# KiCad board AT386SX.kicad_pcb
title: Alsea River 386SX Motherboard; date: 2026-02-17; rev: 2.2; company: Copyright (C) 2024-2026 Sergey Kiselev; note: https://github.com/Marco-Both/M396F-Replika; note: Based on the M396F motherboard replica by Marco Both:; note: https://github.com/skiselev/mb386sx-rc2016; note: Documentation and design files:
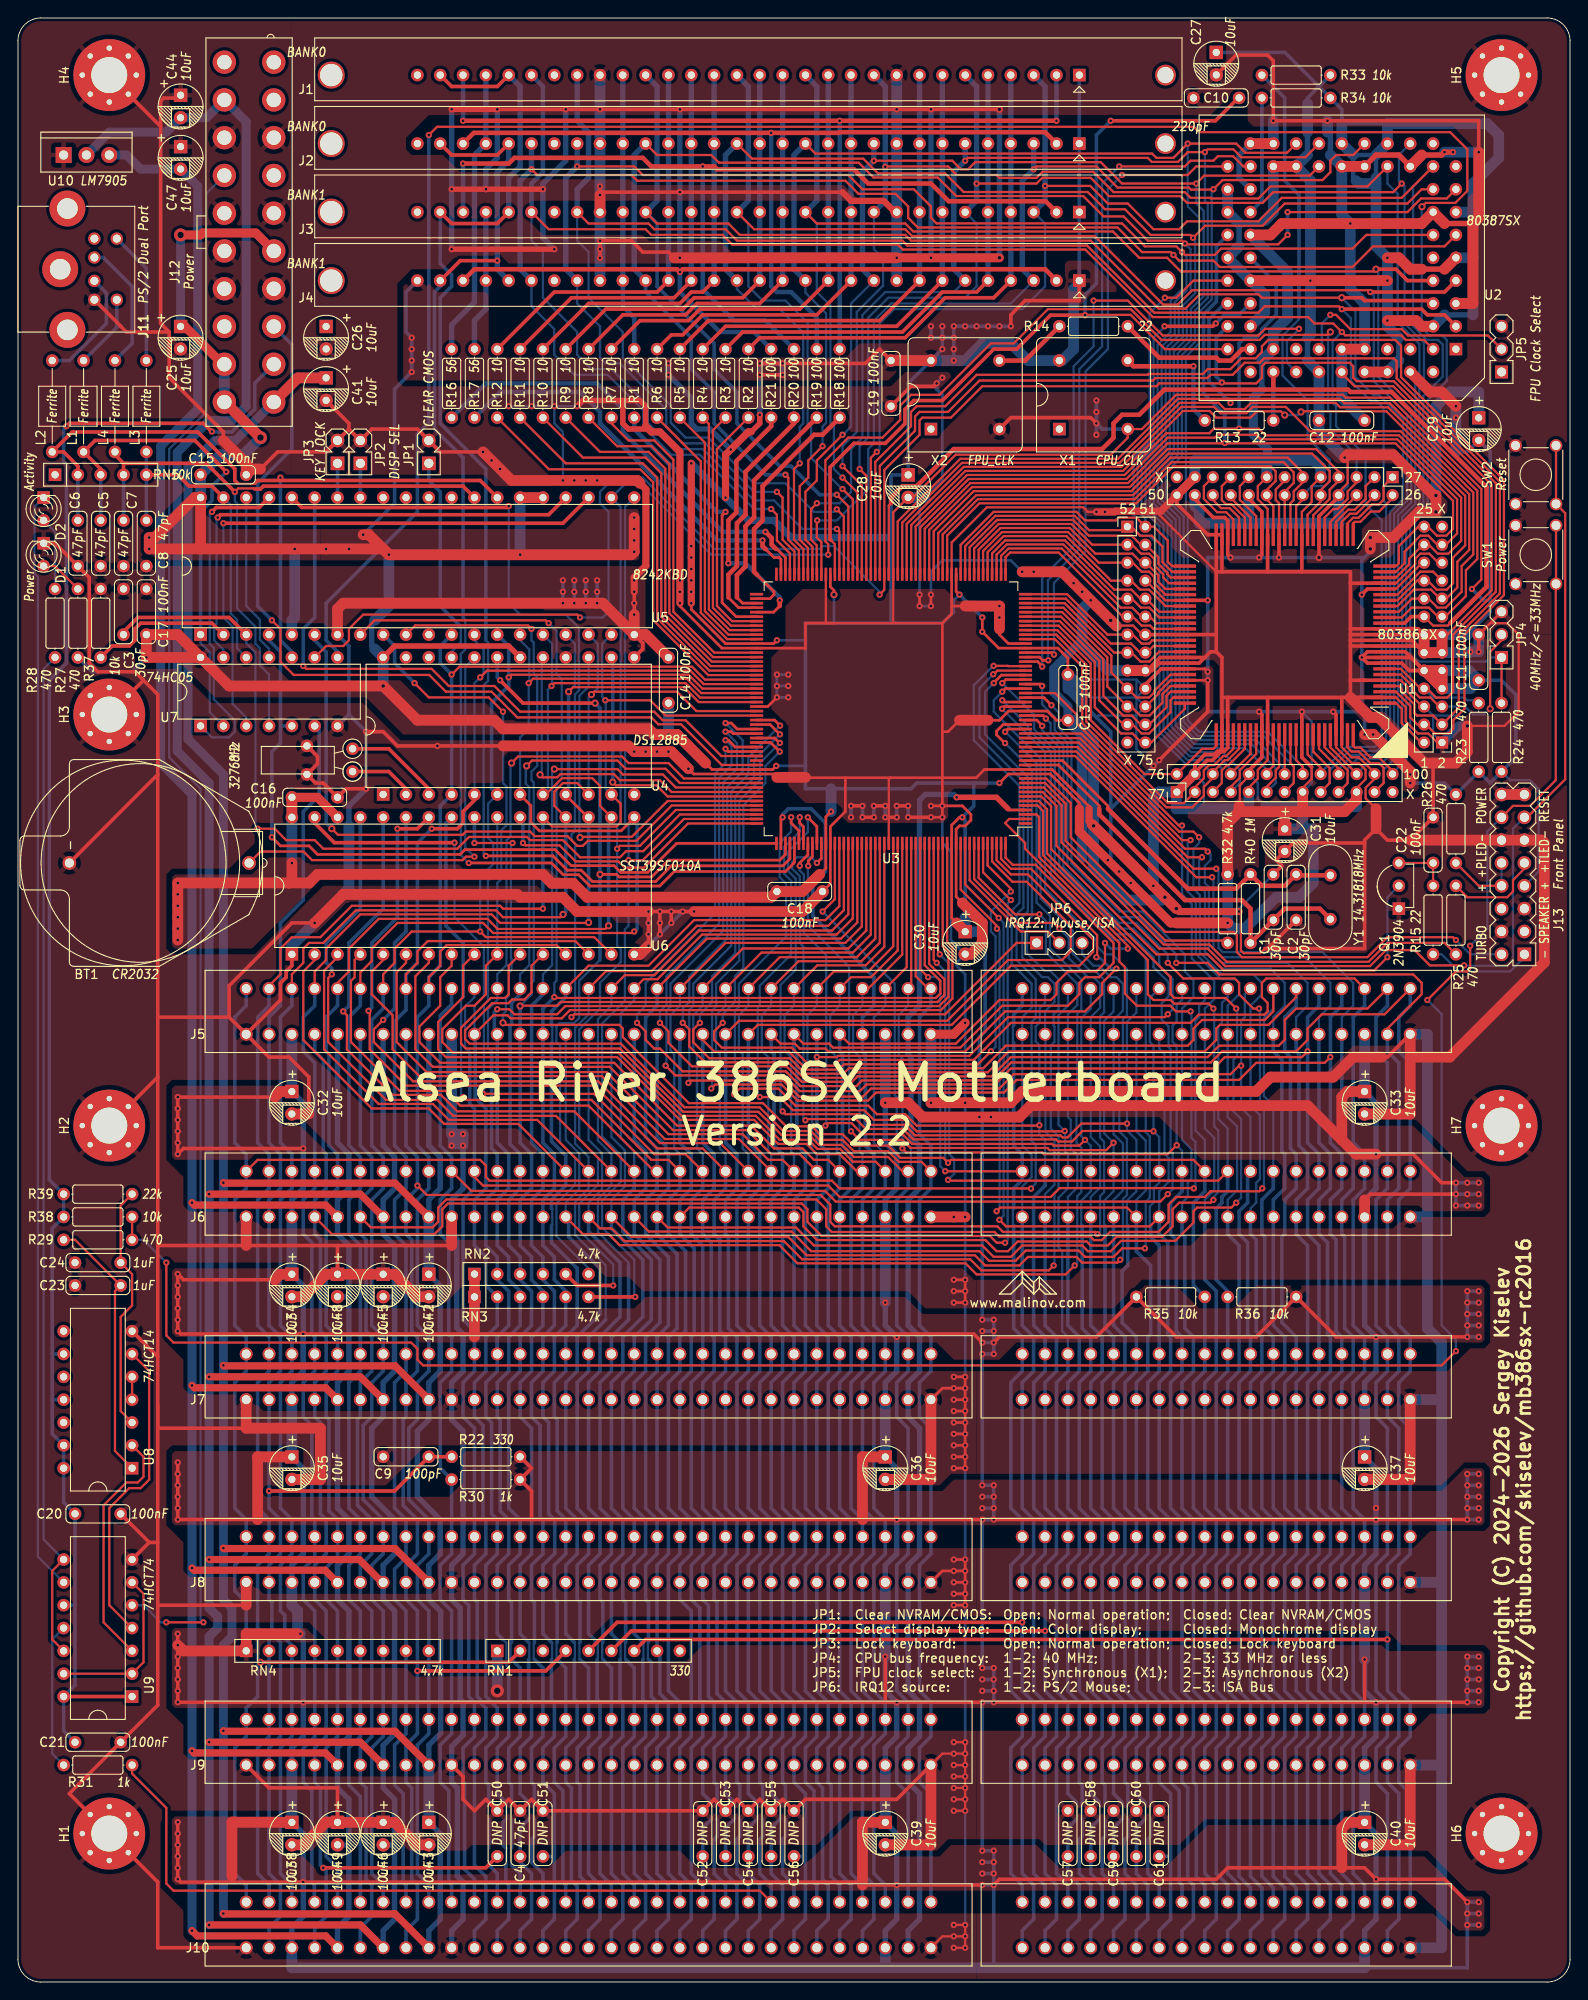
[diagram p0: board, top side]
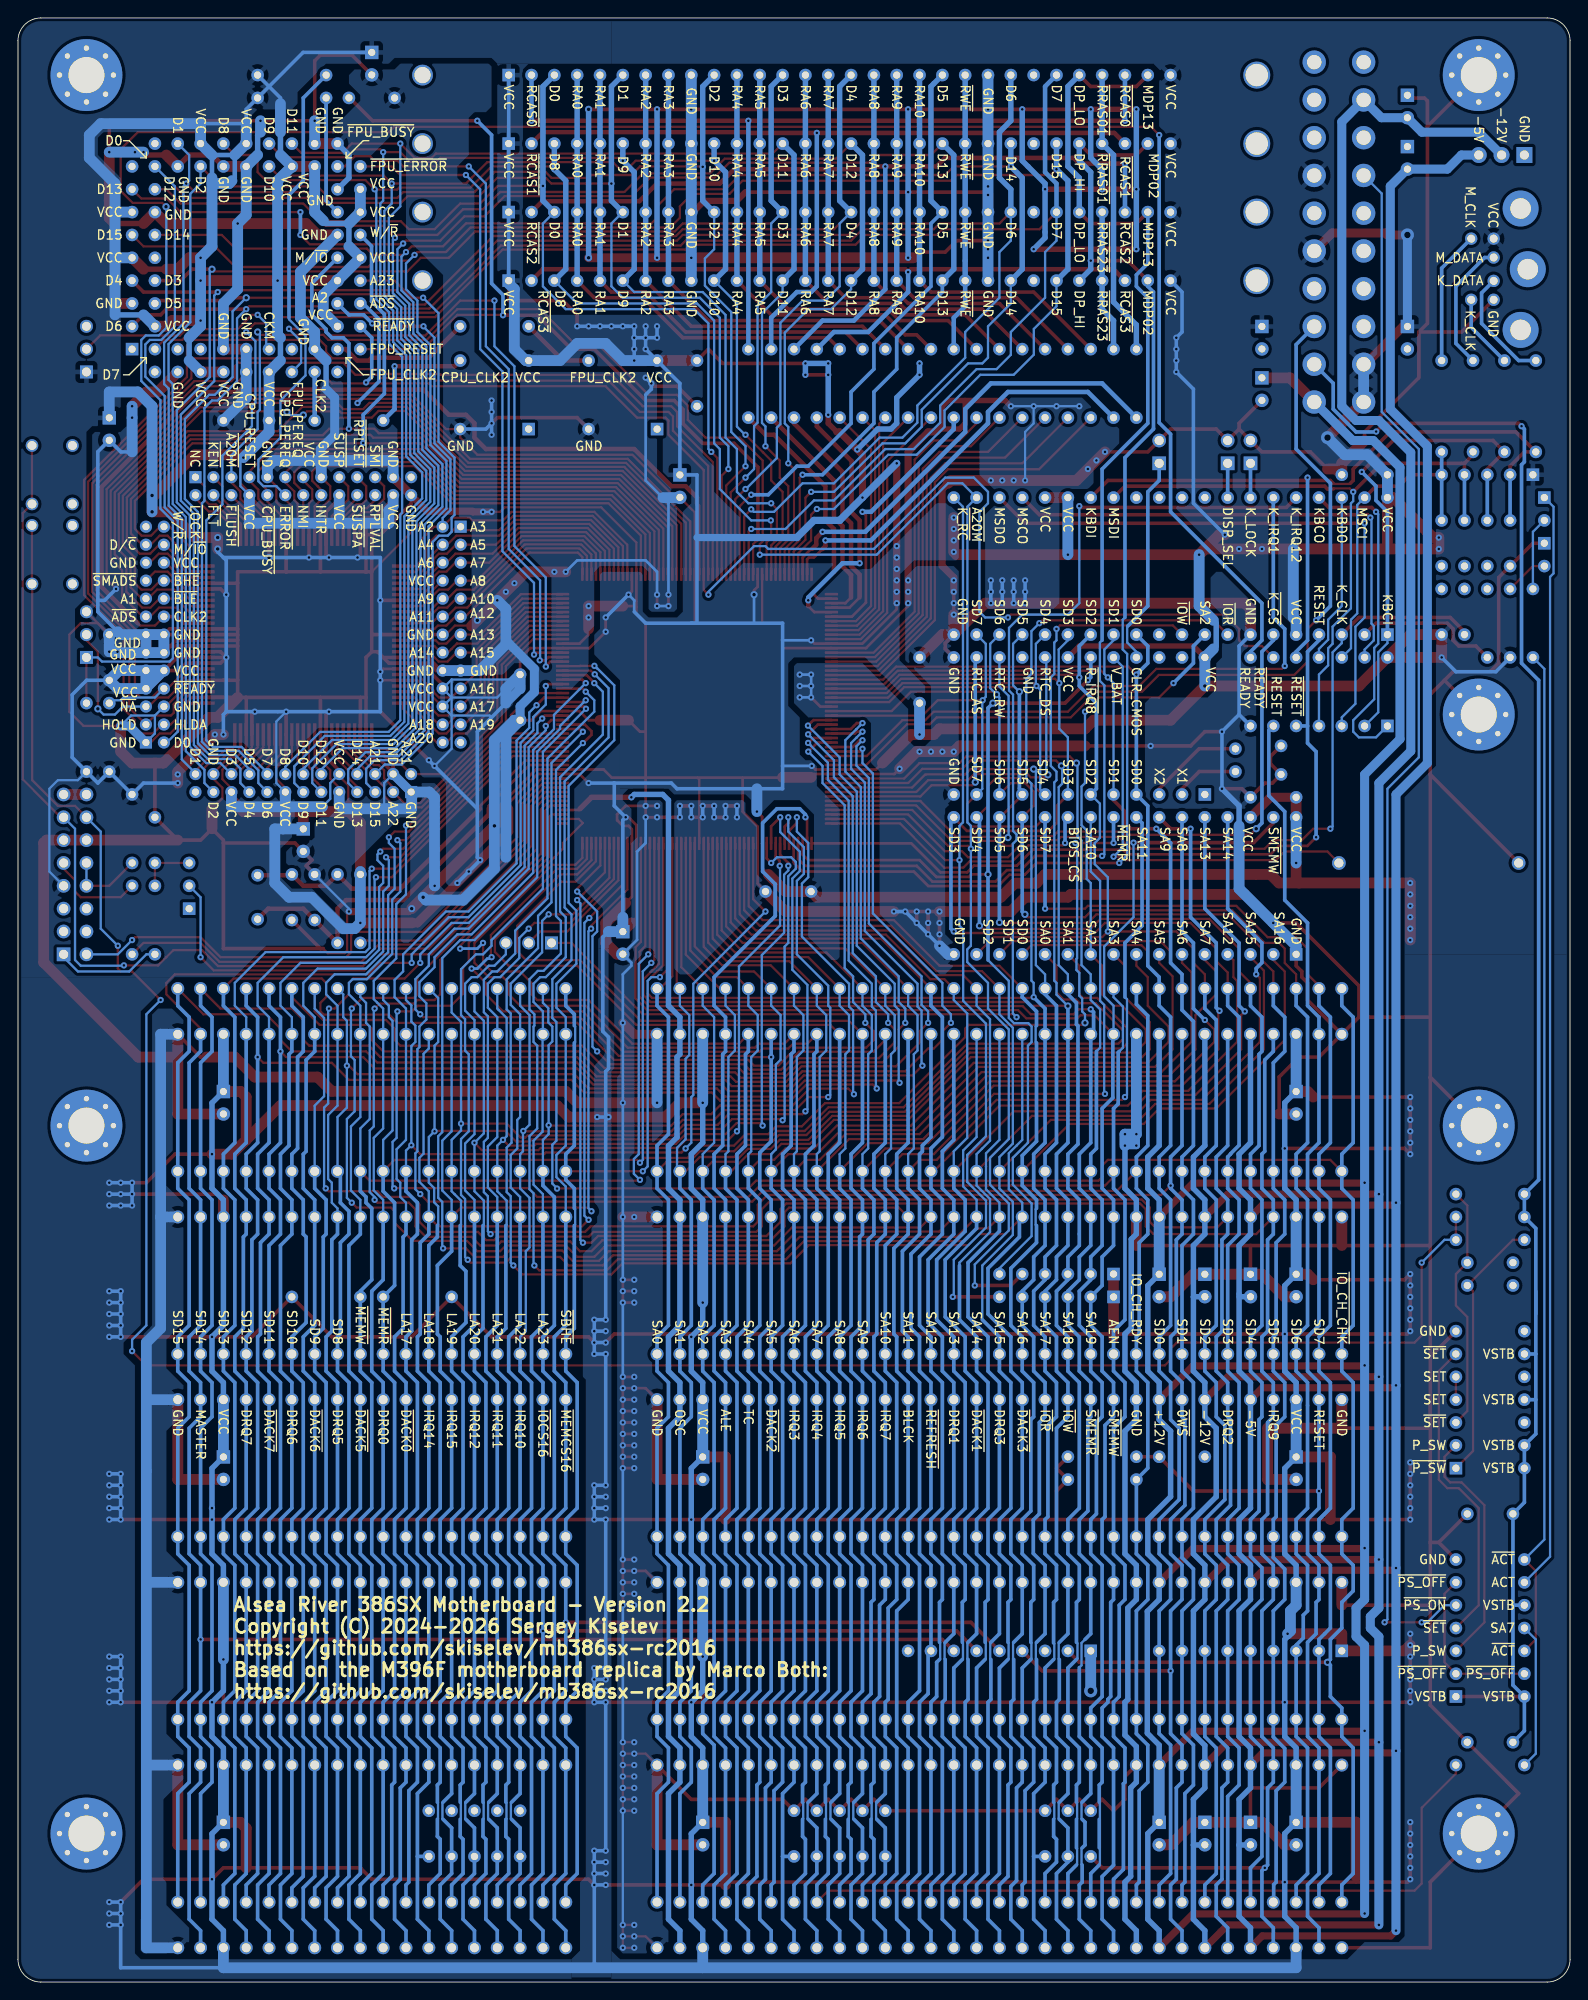
[diagram p1: board, bottom side, seen from below]

Outline 172.72 x 218.44 mm; copper layers: Top, Bottom. Coordinates in mm from the lower left corner of the outline.
Outline path: 0,215.9 arc(0.74,217.7) 2.54,218.44 170.18,218.44 arc(171.98,217.7) 172.72,215.9 172.72,2.54 arc(171.98,0.74) 170.18,0 2.54,0 arc(0.74,0.74) 0,2.54 0,215.9
Stack: Top 0.035mm / dielectric 1.51mm FR4 er 4.5 / Bottom 0.035mm

## Placement (name value [footprint] x y rotation side)
BT1  CR2032  [Battery_Holder_CR2032_Universal]  11.72 124.46 180 top
C1  30pF  [Cap_Cer_508]  139.7 120.65 90 top
C2  30pF  [Cap_Cer_508]  142.24 120.65 270 top
C3  30pF  [Cap_Cer_508]  11.75 152.4 90 top
C4  47pF  [Cap_Cer_508]  55.88 16.51 90 top
C5  47pF  [Cap_Cer_508]  9.21 160.02 270 top
C6  47pF  [Cap_Cer_508]  6.67 160.02 270 top
C7  47pF  [Cap_Cer_508]  11.75 160.02 270 top
C8  47pF  [Cap_Cer_508]  14.29 160.02 270 top
C9  100pF  [Cap_Cer_508]  43.18 58.42 180 top
C10  220pF  [Cap_Cer_508]  133.35 209.55 180 top
C11  100nF  [Cap_Cer_508]  162.56 147.32 90 top
C12  100nF  [Cap_Cer_508]  147.32 173.67 0 top
C13  100nF  [Cap_Cer_508]  116.84 142.88 270 top
C14  100nF  [Cap_Cer_508]  72.39 144.78 90 top
C15  100nF  [Cap_Cer_508]  22.86 167.64 0 top
C16  100nF  [Cap_Cer_508]  33.02 131.76 0 top
C17  100nF  [Cap_Cer_508]  14.29 152.4 90 top
C18  100nF  [Cap_Cer_508]  87 121.28 0 top
C19  100nF  [Cap_Cer_508]  97.16 177.8 270 top
C20  100nF  [Cap_Cer_508]  8.89 52.07 0 top
C21  100nF  [Cap_Cer_508]  8.89 26.67 0 top
C22  100nF  [Cap_Cer_508]  157.48 127 90 top
C23  1uF  [Cap_Cer_508]  8.89 77.47 180 top
C24  1uF  [Cap_Cer_508]  8.89 80.01 180 top
C25  10uF  [Cap_Elec_Radial_5mm_2.5mm]  18.1 182.88 270 top
C26  10uF  [Cap_Elec_Radial_5mm_2.5mm]  34.29 182.88 270 top
C27  10uF  [Cap_Elec_Radial_5mm_2.5mm]  133.35 213.36 270 top
C28  10uF  [Cap_Elec_Radial_5mm_2.5mm]  99.06 166.37 270 top
C29  10uF  [Cap_Elec_Radial_5mm_2.5mm]  162.56 172.72 270 top
C30  10uF  [Cap_Elec_Radial_5mm_2.5mm]  105.41 115.57 270 top
C31  10uF  [Cap_Elec_Radial_5mm_2.5mm]  140.97 127 270 top
C32  10uF  [Cap_Elec_Radial_5mm_2.5mm]  30.48 97.79 270 top
C33  10uF  [Cap_Elec_Radial_5mm_2.5mm]  149.86 97.79 270 top
C34  10uF  [Cap_Elec_Radial_5mm_2.5mm]  30.48 77.47 270 top
C35  10uF  [Cap_Elec_Radial_5mm_2.5mm]  30.48 57.15 270 top
C36  10uF  [Cap_Elec_Radial_5mm_2.5mm]  96.52 57.15 270 top
C37  10uF  [Cap_Elec_Radial_5mm_2.5mm]  149.86 57.15 270 top
C38  10uF  [Cap_Elec_Radial_5mm_2.5mm]  30.48 16.51 270 top
C39  10uF  [Cap_Elec_Radial_5mm_2.5mm]  96.52 16.51 270 top
C40  10uF  [Cap_Elec_Radial_5mm_2.5mm]  149.86 16.51 270 top
C41  10uF  [Cap_Elec_Radial_5mm_2.5mm]  34.29 177.16 270 top
C42  10uF  [Cap_Elec_Radial_5mm_2.5mm]  45.72 77.47 270 top
C43  10uF  [Cap_Elec_Radial_5mm_2.5mm]  45.72 16.51 270 top
C44  10uF  [Cap_Elec_Radial_5mm_2.5mm]  18.1 208.6 270 top
C45  10uF  [Cap_Elec_Radial_5mm_2.5mm]  40.64 77.47 270 top
C46  10uF  [Cap_Elec_Radial_5mm_2.5mm]  40.64 16.51 270 top
C47  10uF  [Cap_Elec_Radial_5mm_2.5mm]  18.1 202.88 270 top
C48  10uF  [Cap_Elec_Radial_5mm_2.5mm]  35.56 77.47 270 top
C49  10uF  [Cap_Elec_Radial_5mm_2.5mm]  35.56 16.51 270 top
C50  DNP  [Cap_Cer_508]  53.34 16.51 90 top
C51  DNP  [Cap_Cer_508]  58.42 16.51 90 top
C52  DNP  [Cap_Cer_508]  76.2 16.51 90 top
C53  DNP  [Cap_Cer_508]  78.74 16.51 90 top
C54  DNP  [Cap_Cer_508]  81.28 16.51 90 top
C55  DNP  [Cap_Cer_508]  83.82 16.51 90 top
C56  DNP  [Cap_Cer_508]  86.36 16.51 90 top
C57  DNP  [Cap_Cer_508]  116.84 16.51 90 top
C58  DNP  [Cap_Cer_508]  119.38 16.51 90 top
C59  DNP  [Cap_Cer_508]  121.92 16.51 90 top
C60  DNP  [Cap_Cer_508]  124.46 16.51 90 top
C61  DNP  [Cap_Cer_508]  127 16.51 90 top
D1  Power  [LED_3mm]  2.86 158.75 90 top
D2  Activity  [LED_3mm]  2.86 163.83 90 top
H1  HOLE  [MountingHole_4mm_Pad_Via]  10.16 16.51 90 top
H2  HOLE  [MountingHole_4mm_Pad_Via]  10.16 95.25 90 top
H3  HOLE  [MountingHole_4mm_Pad_Via]  10.16 140.97 90 top
H4  HOLE  [MountingHole_4mm_Pad_Via]  10.16 212.09 90 top
H5  HOLE  [MountingHole_4mm_Pad_Via]  165.1 212.09 90 top
H6  HOLE  [MountingHole_4mm_Pad_Via]  165.1 16.51 90 top
H7  HOLE  [MountingHole_4mm_Pad_Via]  165.1 95.25 90 top
J1  BANK0  [Conn_SIMM30]  81.28 212.09 180 top
J2  BANK0  [Conn_SIMM30]  81.28 204.47 180 top
J3  BANK1  [Conn_SIMM30]  81.28 196.85 180 top
J4  BANK1  [Conn_SIMM30]  81.28 189.23 180 top
J5  BUSAT_HOST  [Conn_Edge_ISA16]  90.17 107.95 180 top
J6  BUSAT_HOST  [Conn_Edge_ISA16]  90.17 87.63 180 top
J7  BUSAT_HOST  [Conn_Edge_ISA16]  90.17 67.31 180 top
J8  BUSAT_HOST  [Conn_Edge_ISA16]  90.17 46.99 180 top
J9  BUSAT_HOST  [Conn_Edge_ISA16]  90.17 26.67 180 top
J10  BUSAT_HOST  [Conn_Edge_ISA16]  90.17 6.35 180 top
J11  PS/2 Dual Port  [Conn_Mini_DIN_6pin]  0 190.5 90 top
J12  Power  [Conn_Power_ATX_20pin]  25.72 194.63 90 top
J13  Front Panel  [Conn_Pin_Header_8x2_2.54mm]  166.37 123.19 90 top
J14  CPU 1-25  [PinHeader_2x13_P2.00mm_Vertical]  158.48 137.86 180 top
J15  CPU 26-50  [PinHeader_2x13_P2.00mm_Vertical]  152.97 167.37 270 top
J16  CPU 51-75  [PinHeader_2x13_P2.00mm_Vertical]  123.46 161.86 0 top
J17  CPU 76-100  [PinHeader_2x13_P2.00mm_Vertical]  128.97 132.35 90 top
JP1  CLEAR CMOS  [Conn_Pin_Header_2x1_2.54mm]  45.72 170.18 90 top
JP2  DISP SEL  [Conn_Pin_Header_2x1_2.54mm]  38.1 170.18 90 top
JP3  KEY LOCK  [Conn_Pin_Header_2x1_2.54mm]  35.56 170.18 90 top
JP4  40MHz/<=33MHz  [Conn_Pin_Header_3x1_2.54mm]  165.1 149.86 90 top
JP5  FPU Clock Select  [Conn_Pin_Header_3x1_2.54mm]  165.1 181.61 90 top
JP6  IRQ12: Mouse/ISA  [Conn_Pin_Header_3x1_2.54mm]  115.89 115.57 0 top
L1  Ferrite  [L_Ferrite_1016]  7.3 175.26 90 top
L2  Ferrite  [L_Ferrite_1016]  3.81 175.26 90 top
L3  Ferrite  [L_Ferrite_1016]  14.29 175.26 90 top
L4  Ferrite  [L_Ferrite_1016]  10.79 175.26 90 top
Q1  2N3904  [Transistor_TO92_EBC_254]  153.67 121.92 90 top
R1  10  [Res_762]  68.58 177.8 90 top
R2  10  [Res_762]  81.28 177.8 90 top
R3  10  [Res_762]  78.74 177.8 90 top
R4  10  [Res_762]  76.2 177.8 90 top
R5  10  [Res_762]  73.66 177.8 90 top
R6  10  [Res_762]  71.12 177.8 90 top
R7  10  [Res_762]  66.04 177.8 90 top
R8  10  [Res_762]  63.5 177.8 90 top
R9  10  [Res_762]  60.96 177.8 90 top
R10  10  [Res_762]  58.42 177.8 90 top
R11  10  [Res_762]  55.88 177.8 90 top
R12  10  [Res_762]  53.34 177.8 90 top
R13  22  [Res_762]  135.89 173.67 0 top
R14  22  [Res_762]  119.7 184.15 0 top
R15  22  [Res_762]  157.48 118.11 90 top
R16  56  [Res_762]  48.26 177.8 90 top
R17  56  [Res_762]  50.8 177.8 90 top
R18  100  [Res_762]  91.44 177.8 90 top
R19  100  [Res_762]  88.9 177.8 90 top
R20  100  [Res_762]  86.36 177.8 90 top
R21  100  [Res_762]  83.82 177.8 90 top
R22  330  [Res_762]  52.07 58.42 180 top
R23  470  [Res_762]  162.56 138.43 90 top
R24  470  [Res_762]  165.1 138.43 90 top
R25  470  [Res_762]  160.02 118.11 270 top
R26  470  [Res_762]  160.02 128.27 270 top
R27  470  [Res_762]  6.67 151.13 90 top
R28  470  [Res_762]  4.13 151.13 90 top
R29  470  [Res_762]  8.89 82.55 180 top
R30  1k  [Res_762]  52.07 55.88 180 top
R31  1k  [Res_762]  8.89 24.13 180 top
R32  4.7k  [Res_762]  134.62 119.38 270 top
R33  10k  [Res_762]  142.24 212.09 180 top
R34  10k  [Res_762]  142.24 209.55 180 top
R35  10k  [Res_762]  128.27 76.2 0 top
R36  10k  [Res_762]  138.43 76.2 180 top
R37  10k  [Res_762]  9.21 151.13 90 top
R38  10k  [Res_762]  8.89 85.09 180 top
R39  22k  [Res_762]  8.89 87.63 180 top
R40  1M  [Res_762]  137.16 119.38 90 top
RN1  330  [Conn_SIL9]  63.5 36.83 0 top
RN2  4.7k  [Conn_SIL6]  57.15 78.74 0 top
RN3  4.7k  [Conn_SIL6]  57.15 76.2 0 top
RN4  4.7k  [Conn_SIL9]  35.56 36.83 0 top
RN5  10k  [Conn_SIL5]  9.21 167.64 0 top
SW1  Power  [Switch_Tactile_6mm]  168.91 158.75 90 top
SW2  Reset  [Switch_Tactile_6mm]  168.91 167.64 90 top
U1  80386SX  [PQFP-100_19x19mm_P0.635mm_i386sx]  140.97 149.86 180 top
U2  80387SX  [IC_PLCC68_INTEL_TH]  147.32 191.77 180 top
U3  RC2016A5  [PQFP-208_28x28mm_P0.5mm]  97.16 141.61 180 top
U4  DS12885  [IC_DIP24_600]  54.61 139.7 0 top
U5  8242KBD  [IC_DIP40_600]  44.45 157.48 0 top
U6  SST39SF010A  [IC_DIP32_600]  49.53 121.92 0 top
U7  74HC05  [IC_DIP14_300]  27.94 143.51 0 top
U8  74HCT14  [IC_DIP14_300]  8.89 64.77 90 top
U9  74HCT74  [IC_DIP14_300]  8.89 39.37 90 top
U10  LM7905  [IC_TO220-3_Vert]  7.62 203.2 0 top
X1  CPU_CLK  [OSC_Half_Can_DIP8]  119.7 176.53 0 top
X2  FPU_CLK  [OSC_Half_Can_DIP8]  105.41 176.53 0 top
Y1  14.31818MHz  [Crystal_HC-49U_Vert]  146.05 120.65 90 top
Y2  32768Hz  [Crystal_32K_Horiz]  37.24 135.9 270 top

## Footprints (pads in the part's own frame, mm; a bottom-side part is the same pattern mirrored in y, then rotated)
Battery_Holder_CR2032_Universal
  round 1.524 hole 1.016: 1(-14,0) 2(5.999,0)
Cap_Cer_508
  round 1.397 hole 0.813: 1(-2.54,0) 2(2.54,0)
Cap_Elec_Radial_5mm_2.5mm
  rect 1.491x1.491 hole 0.8: 1(-1.25,0)
  round 1.491 hole 0.8: 2(1.25,0)
Conn_Edge_ISA16
  round 1.44 hole 1: 1(64.77,2.54) 2(62.23,2.54) 3(59.69,2.54) 4(57.15,2.54) 5(54.61,2.54) 6(52.07,2.54) 7(49.53,2.54) 8(46.99,2.54) 9(44.45,2.54) 10(41.91,2.54) 11(39.37,2.54) 12(36.83,2.54) 13(34.29,2.54) 14(31.75,2.54) 15(29.21,2.54) 16(26.67,2.54) 17(24.13,2.54) 18(21.59,2.54) 19(19.05,2.54) 20(16.51,2.54) 21(13.97,2.54) 22(11.43,2.54) 23(8.89,2.54) 24(6.35,2.54) 25(3.81,2.54) 26(1.27,2.54) 27(-1.27,2.54) 28(-3.81,2.54) 29(-6.35,2.54) 30(-8.89,2.54) 31(-11.43,2.54) 32(64.77,-2.54) 33(62.23,-2.54) 34(59.69,-2.54) 35(57.15,-2.54) 36(54.61,-2.54) 37(52.07,-2.54) 38(49.53,-2.54) 39(46.99,-2.54) 40(44.45,-2.54) 41(41.91,-2.54) 42(39.37,-2.54) 43(36.83,-2.54) 44(34.29,-2.54) 45(31.75,-2.54) 46(29.21,-2.54) 47(26.67,-2.54) 48(24.13,-2.54) 49(21.59,-2.54) 50(19.05,-2.54) 51(16.51,-2.54) 52(13.97,-2.54) 53(11.43,-2.54) 54(8.89,-2.54) 55(6.35,-2.54) 56(3.81,-2.54) 57(1.27,-2.54) 58(-1.27,-2.54) 59(-3.81,-2.54) 60(-6.35,-2.54) 61(-8.89,-2.54) 62(-11.43,-2.54) 63(-21.59,2.54) 64(-24.13,2.54) 65(-26.67,2.54) 66(-29.21,2.54) 67(-31.75,2.54) 68(-34.29,2.54) 69(-36.83,2.54) 70(-39.37,2.54) 71(-41.91,2.54) 72(-44.45,2.54) 73(-46.99,2.54) 74(-49.53,2.54) 75(-52.07,2.54) 76(-54.61,2.54) 77(-57.15,2.54) 78(-59.69,2.54) 79(-62.23,2.54) 80(-64.77,2.54) 81(-21.59,-2.54) 82(-24.13,-2.54) 83(-26.67,-2.54) 84(-29.21,-2.54) 85(-31.75,-2.54) 86(-34.29,-2.54) 87(-36.83,-2.54) 88(-39.37,-2.54) 89(-41.91,-2.54) 90(-44.45,-2.54) 91(-46.99,-2.54) 92(-49.53,-2.54) 93(-52.07,-2.54) 94(-54.61,-2.54) 95(-57.15,-2.54) 96(-59.69,-2.54) 97(-62.23,-2.54) 98(-64.77,-2.54)
Conn_Mini_DIN_6pin
  round 1.372 hole 0.889: 1(-1.3,-8.5) 2(1.3,-8.5) 3(-3.4,-8.5) 4(3.4,-8.5) 5(-3.4,-11) 6(3.4,-11)
  round 4 hole 2.291: ~(-6.75,-5.5) ~(0,-4.7) ~(6.75,-5.5)
Conn_Pin_Header_2x1_2.54mm
  rect 1.524x1.524 hole 1.016: 1(-1.27,0)
  round 1.524 hole 1.016: 2(1.27,0)
Conn_Pin_Header_3x1_2.54mm
  rect 1.44x1.44 hole 1: 1(-2.54,0)
  round 1.44 hole 1: 2(0,0) 3(2.54,0)
Conn_Pin_Header_8x2_2.54mm
  rect 1.524x1.524 hole 1.016: 1(-8.89,-1.27)
  round 1.524 hole 1.016: 2(-8.89,1.27) 3(-6.35,-1.27) 4(-6.35,1.27) 5(-3.81,-1.27) 6(-3.81,1.27) 7(-1.27,-1.27) 8(-1.27,1.27) 9(1.27,-1.27) 10(1.27,1.27) 11(3.81,-1.27) 12(3.81,1.27) 13(6.35,-1.27) 14(6.35,1.27) 15(8.89,-1.27) 16(8.89,1.27)
Conn_Power_ATX_20pin
  round 2.601 hole 1.6: 1(18.9,-2.751) 2(14.699,-2.751) 3(10.5,-2.751) 4(6.299,-2.751) 5(2.101,-2.751) 6(-2.101,-2.751) 7(-6.299,-2.751) 8(-10.5,-2.751) 9(-14.699,-2.751) 10(-18.9,-2.751) 11(18.9,2.751) 12(14.699,2.751) 13(10.5,2.751) 14(6.299,2.751) 15(2.101,2.751) 16(-2.101,2.751) 17(-6.299,2.751) 18(-10.5,2.751) 19(-14.699,2.751) 20(-18.9,2.751)
Conn_SIL5
  rect 1.397x1.397 hole 0.813: 1(-5.08,0)
  round 1.397 hole 0.813: 2(-2.54,0) 3(0,0) 4(2.54,0) 5(5.08,0)
Conn_SIL6
  rect 1.397x1.397 hole 0.813: 1(-6.35,0)
  round 1.397 hole 0.813: 2(-3.81,0) 3(-1.27,0) 4(1.27,0) 5(3.81,0) 6(6.35,0)
Conn_SIL9
  rect 1.397x1.397 hole 0.813: 1(-10.16,0)
  round 1.397 hole 0.813: 2(-7.62,0) 3(-5.08,0) 4(-2.54,0) 5(0,0) 6(2.54,0) 7(5.08,0) 8(7.62,0) 9(10.16,0)
Conn_SIMM30
  rect 1.397x1.397 hole 0.813: 1(-36.83,0)
  round 1.397 hole 0.813: 2(-34.29,0) 3(-31.75,0) 4(-29.21,0) 5(-26.67,0) 6(-24.13,0) 7(-21.59,0) 8(-19.05,0) 9(-16.51,0) 10(-13.97,0) 11(-11.43,0) 12(-8.89,0) 13(-6.35,0) 14(-3.81,0) 15(-1.27,0) 16(1.27,0) 17(3.81,0) 18(6.35,0) 19(8.89,0) 20(11.43,0) 21(13.97,0) 22(16.51,0) 23(19.05,0) 24(21.59,0) 25(24.13,0) 26(26.67,0) 27(29.21,0) 28(31.75,0) 29(34.29,0) 30(36.83,0)
  round 2.311 hole 1.803: ~(-46.42,0)
  round 2.997 hole 2.489: ~(46.42,0)
Crystal_32K_Horiz
  round 1.397 hole 0.813: 1(-1.27,0) 2(1.27,0) 3(-1.587,-5.08) 3(1.587,-5.08)
Crystal_HC-49U_Vert
  round 1.397 hole 0.813: 1(-2.441,0) 2(2.441,0)
IC_DIP14_300
  rect 1.397x1.397 hole 0.813: 1(-7.62,-3.81)
  round 1.397 hole 0.813: 2(-5.08,-3.81) 3(-2.54,-3.81) 4(0,-3.81) 5(2.54,-3.81) 6(5.08,-3.81) 7(7.62,-3.81) 8(7.62,3.81) 9(5.08,3.81) 10(2.54,3.81) 11(0,3.81) 12(-2.54,3.81) 13(-5.08,3.81) 14(-7.62,3.81)
IC_DIP24_600
  rect 1.397x1.397 hole 0.813: 1(-13.97,-7.62)
  round 1.397 hole 0.813: 2(-11.43,-7.62) 3(-8.89,-7.62) 4(-6.35,-7.62) 5(-3.81,-7.62) 6(-1.27,-7.62) 7(1.27,-7.62) 8(3.81,-7.62) 9(6.35,-7.62) 10(8.89,-7.62) 11(11.43,-7.62) 12(13.97,-7.62) 13(13.97,7.62) 14(11.43,7.62) 15(8.89,7.62) 16(6.35,7.62) 17(3.81,7.62) 18(1.27,7.62) 19(-1.27,7.62) 20(-3.81,7.62) 21(-6.35,7.62) 22(-8.89,7.62) 23(-11.43,7.62) 24(-13.97,7.62)
IC_DIP32_600
  rect 1.397x1.397 hole 0.813: 1(-19.05,-7.62)
  round 1.397 hole 0.813: 2(-16.51,-7.62) 3(-13.97,-7.62) 4(-11.43,-7.62) 5(-8.89,-7.62) 6(-6.35,-7.62) 7(-3.81,-7.62) 8(-1.27,-7.62) 9(1.27,-7.62) 10(3.81,-7.62) 11(6.35,-7.62) 12(8.89,-7.62) 13(11.43,-7.62) 14(13.97,-7.62) 15(16.51,-7.62) 16(19.05,-7.62) 17(19.05,7.62) 18(16.51,7.62) 19(13.97,7.62) 20(11.43,7.62) 21(8.89,7.62) 22(6.35,7.62) 23(3.81,7.62) 24(1.27,7.62) 25(-1.27,7.62) 26(-3.81,7.62) 27(-6.35,7.62) 28(-8.89,7.62) 29(-11.43,7.62) 30(-13.97,7.62) 31(-16.51,7.62) 32(-19.05,7.62)
IC_DIP40_600
  rect 1.397x1.397 hole 0.813: 1(-24.13,-7.62)
  round 1.397 hole 0.813: 2(-21.59,-7.62) 3(-19.05,-7.62) 4(-16.51,-7.62) 5(-13.97,-7.62) 6(-11.43,-7.62) 7(-8.89,-7.62) 8(-6.35,-7.62) 9(-3.81,-7.62) 10(-1.27,-7.62) 11(1.27,-7.62) 12(3.81,-7.62) 13(6.35,-7.62) 14(8.89,-7.62) 15(11.43,-7.62) 16(13.97,-7.62) 17(16.51,-7.62) 18(19.05,-7.62) 19(21.59,-7.62) 20(24.13,-7.62) 21(24.13,7.62) 22(21.59,7.62) 23(19.05,7.62) 24(16.51,7.62) 25(13.97,7.62) 26(11.43,7.62) 27(8.89,7.62) 28(6.35,7.62) 29(3.81,7.62) 30(1.27,7.62) 31(-1.27,7.62) 32(-3.81,7.62) 33(-6.35,7.62) 34(-8.89,7.62) 35(-11.43,7.62) 36(-13.97,7.62) 37(-16.51,7.62) 38(-19.05,7.62) 39(-21.59,7.62) 40(-24.13,7.62)
IC_PLCC68_INTEL_TH
  rect 1.397x1.397 hole 0.813: 1(-12.7,10.16)
  round 1.397 hole 0.813: 2(-10.16,10.16) 3(-12.7,7.62) 4(-10.16,7.62) 5(-12.7,5.08) 6(-10.16,5.08) 7(-12.7,2.54) 8(-10.16,2.54) 9(-12.7,0) 10(-10.16,0) 11(-12.7,-2.54) 12(-10.16,-2.54) 13(-12.7,-5.08) 14(-10.16,-5.08) 15(-12.7,-7.62) 16(-10.16,-7.62) 17(-12.7,-10.16) 18(-10.16,-12.7) 19(-10.16,-10.16) 20(-7.62,-12.7) 21(-7.62,-10.16) 22(-5.08,-12.7) 23(-5.08,-10.16) 24(-2.54,-12.7) 25(-2.54,-10.16) 26(0,-12.7) 27(0,-10.16) 28(2.54,-12.7) 29(2.54,-10.16) 30(5.08,-12.7) 31(5.08,-10.16) 32(7.62,-12.7) 33(7.62,-10.16) 34(10.16,-12.7) 35(12.7,-10.16) 36(10.16,-10.16) 37(12.7,-7.62) 38(10.16,-7.62) 39(12.7,-5.08) 40(10.16,-5.08) 41(12.7,-2.54) 42(10.16,-2.54) 43(12.7,0) 44(10.16,0) 45(12.7,2.54) 46(10.16,2.54) 47(12.7,5.08) 48(10.16,5.08) 49(12.7,7.62) 50(10.16,7.62) 51(12.7,10.16) 52(10.16,12.7) 53(10.16,10.16) 54(7.62,12.7) 55(7.62,10.16) 56(5.08,12.7) 57(5.08,10.16) 58(2.54,12.7) 59(2.54,10.16) 60(0,12.7) 61(0,10.16) 62(-2.54,12.7) 63(-2.54,10.16) 64(-5.08,12.7) 65(-5.08,10.16) 66(-7.62,12.7) 67(-7.62,10.16) 68(-10.16,12.7)
IC_TO220-3_Vert
  rect 1.778x1.778 hole 1.016: 1(-2.54,0)
  round 1.778 hole 1.016: 2(0,0) 3(2.54,0)
L_Ferrite_1016
  round 1.397 hole 0.813: 1(-5.08,0) 2(5.08,0)
LED_3mm
  rect 1.397x1.397 hole 0.813: 1(1.27,0)
  round 1.397 hole 0.813: 2(-1.27,0)
MountingHole_4mm_Pad_Via
  round 0.9 hole 0.6: 1(-3,0) 1(-2.121,2.121) 1(-2.121,-2.121) 1(0,3) 1(0,-3) 1(2.121,2.121) 1(2.121,-2.121) 1(3,0)
  round 8 hole 4: 1(0,0)
OSC_Half_Can_DIP8
  rect 1.397x1.397 hole 0.813: 1(-3.81,-3.81)
  round 1.397 hole 0.813: 4(3.81,-3.81) 5(3.81,3.81) 8(-3.81,3.81)
PinHeader_2x13_P2.00mm_Vertical
  rect 1.35x1.35 hole 0.8: 1(0,0)
  oval 1.35x1.35 hole 0.8: 2(2,0) 3(0,-2) 4(2,-2) 5(0,-4) 6(2,-4) 7(0,-6) 8(2,-6) 9(0,-8) 10(2,-8) 11(0,-10) 12(2,-10) 13(0,-12) 14(2,-12) 15(0,-14) 16(2,-14) 17(0,-16) 18(2,-16) 19(0,-18) 20(2,-18) 21(0,-20) 22(2,-20) 23(0,-22) 24(2,-22) 25(0,-24) 26(2,-24)
PQFP-100_19x19mm_P0.635mm_i386sx
  rect 2.5x0.38 smd: 1(-11.113,7.62) 2(-11.113,6.985) 3(-11.113,6.35) 4(-11.113,5.715) 5(-11.113,5.08) 6(-11.113,4.445) 7(-11.113,3.81) 8(-11.113,3.175) 9(-11.113,2.54) 10(-11.113,1.905) 11(-11.113,1.27) 12(-11.113,0.635) 13(-11.113,0) 14(-11.113,-0.635) 15(-11.113,-1.27) 16(-11.113,-1.905) 17(-11.113,-2.54) 18(-11.113,-3.175) 19(-11.113,-3.81) 20(-11.113,-4.445) 21(-11.113,-5.08) 22(-11.113,-5.715) 23(-11.113,-6.35) 24(-11.113,-6.985) 25(-11.113,-7.62) 51(11.113,-7.62) 52(11.113,-6.985) 53(11.113,-6.35) 54(11.113,-5.715) 55(11.113,-5.08) 56(11.113,-4.445) 57(11.113,-3.81) 58(11.113,-3.175) 59(11.113,-2.54) 60(11.113,-1.905) 61(11.113,-1.27) 62(11.113,-0.635) 63(11.113,0) 64(11.113,0.635) 65(11.113,1.27) 66(11.113,1.905) 67(11.113,2.54) 68(11.113,3.175) 69(11.113,3.81) 70(11.113,4.445) 71(11.113,5.08) 72(11.113,5.715) 73(11.113,6.35) 74(11.113,6.985) 75(11.113,7.62)
  rect 0.38x2.5 smd: 26(-7.62,-11.113) 27(-6.985,-11.113) 28(-6.35,-11.113) 29(-5.715,-11.113) 30(-5.08,-11.113) 31(-4.445,-11.113) 32(-3.81,-11.113) 33(-3.175,-11.113) 34(-2.54,-11.113) 35(-1.905,-11.113) 36(-1.27,-11.113) 37(-0.635,-11.113) 38(0,-11.113) 39(0.635,-11.113) 40(1.27,-11.113) 41(1.905,-11.113) 42(2.54,-11.113) 43(3.175,-11.113) 44(3.81,-11.113) 45(4.445,-11.113) 46(5.08,-11.113) 47(5.715,-11.113) 48(6.35,-11.113) 49(6.985,-11.113) 50(7.62,-11.113) 76(7.62,11.113) 77(6.985,11.113) 78(6.35,11.113) 79(5.715,11.113) 80(5.08,11.113) 81(4.445,11.113) 82(3.81,11.113) 83(3.175,11.113) 84(2.54,11.113) 85(1.905,11.113) 86(1.27,11.113) 87(0.635,11.113) 88(0,11.113) 89(-0.635,11.113) 90(-1.27,11.113) 91(-1.905,11.113) 92(-2.54,11.113) 93(-3.175,11.113) 94(-3.81,11.113) 95(-4.445,11.113) 96(-5.08,11.113) 97(-5.715,11.113) 98(-6.35,11.113) 99(-6.985,11.113) 100(-7.62,11.113)
PQFP-208_28x28mm_P0.5mm
  rrect 1.475x0.3 smd: 1(-14.963,12.75) 2(-14.963,12.25) 3(-14.963,11.75) 4(-14.963,11.25) 5(-14.963,10.75) 6(-14.963,10.25) 7(-14.963,9.75) 8(-14.963,9.25) 9(-14.963,8.75) 10(-14.963,8.25) 11(-14.963,7.75) 12(-14.963,7.25) 13(-14.963,6.75) 14(-14.963,6.25) 15(-14.963,5.75) 16(-14.963,5.25) 17(-14.963,4.75) 18(-14.963,4.25) 19(-14.963,3.75) 20(-14.963,3.25) 21(-14.963,2.75) 22(-14.963,2.25) 23(-14.963,1.75) 24(-14.963,1.25) 25(-14.963,0.75) 26(-14.963,0.25) 27(-14.963,-0.25) 28(-14.963,-0.75) 29(-14.963,-1.25) 30(-14.963,-1.75) 31(-14.963,-2.25) 32(-14.963,-2.75) 33(-14.963,-3.25) 34(-14.963,-3.75) 35(-14.963,-4.25) 36(-14.963,-4.75) 37(-14.963,-5.25) 38(-14.963,-5.75) 39(-14.963,-6.25) 40(-14.963,-6.75) 41(-14.963,-7.25) 42(-14.963,-7.75) 43(-14.963,-8.25) 44(-14.963,-8.75) 45(-14.963,-9.25) 46(-14.963,-9.75) 47(-14.963,-10.25) 48(-14.963,-10.75) 49(-14.963,-11.25) 50(-14.963,-11.75) 51(-14.963,-12.25) 52(-14.963,-12.75) 105(14.963,-12.75) 106(14.963,-12.25) 107(14.963,-11.75) 108(14.963,-11.25) 109(14.963,-10.75) 110(14.963,-10.25) 111(14.963,-9.75) 112(14.963,-9.25) 113(14.963,-8.75) 114(14.963,-8.25) 115(14.963,-7.75) 116(14.963,-7.25) 117(14.963,-6.75) 118(14.963,-6.25) 119(14.963,-5.75) 120(14.963,-5.25) 121(14.963,-4.75) 122(14.963,-4.25) 123(14.963,-3.75) 124(14.963,-3.25) 125(14.963,-2.75) 126(14.963,-2.25) 127(14.963,-1.75) 128(14.963,-1.25) 129(14.963,-0.75) 130(14.963,-0.25) 131(14.963,0.25) 132(14.963,0.75) 133(14.963,1.25) 134(14.963,1.75) 135(14.963,2.25) 136(14.963,2.75) 137(14.963,3.25) 138(14.963,3.75) 139(14.963,4.25) 140(14.963,4.75) 141(14.963,5.25) 142(14.963,5.75) 143(14.963,6.25) 144(14.963,6.75) 145(14.963,7.25) 146(14.963,7.75) 147(14.963,8.25) 148(14.963,8.75) 149(14.963,9.25) 150(14.963,9.75) 151(14.963,10.25) 152(14.963,10.75) 153(14.963,11.25) 154(14.963,11.75) 155(14.963,12.25) 156(14.963,12.75)
  rrect 0.3x1.475 smd: 53(-12.75,-14.963) 54(-12.25,-14.963) 55(-11.75,-14.963) 56(-11.25,-14.963) 57(-10.75,-14.963) 58(-10.25,-14.963) 59(-9.75,-14.963) 60(-9.25,-14.963) 61(-8.75,-14.963) 62(-8.25,-14.963) 63(-7.75,-14.963) 64(-7.25,-14.963) 65(-6.75,-14.963) 66(-6.25,-14.963) 67(-5.75,-14.963) 68(-5.25,-14.963) 69(-4.75,-14.963) 70(-4.25,-14.963) 71(-3.75,-14.963) 72(-3.25,-14.963) 73(-2.75,-14.963) 74(-2.25,-14.963) 75(-1.75,-14.963) 76(-1.25,-14.963) 77(-0.75,-14.963) 78(-0.25,-14.963) 79(0.25,-14.963) 80(0.75,-14.963) 81(1.25,-14.963) 82(1.75,-14.963) 83(2.25,-14.963) 84(2.75,-14.963) 85(3.25,-14.963) 86(3.75,-14.963) 87(4.25,-14.963) 88(4.75,-14.963) 89(5.25,-14.963) 90(5.75,-14.963) 91(6.25,-14.963) 92(6.75,-14.963) 93(7.25,-14.963) 94(7.75,-14.963) 95(8.25,-14.963) 96(8.75,-14.963) 97(9.25,-14.963) 98(9.75,-14.963) 99(10.25,-14.963) 100(10.75,-14.963) 101(11.25,-14.963) 102(11.75,-14.963) 103(12.25,-14.963) 104(12.75,-14.963) 157(12.75,14.963) 158(12.25,14.963) 159(11.75,14.963) 160(11.25,14.963) 161(10.75,14.963) 162(10.25,14.963) 163(9.75,14.963) 164(9.25,14.963) 165(8.75,14.963) 166(8.25,14.963) 167(7.75,14.963) 168(7.25,14.963) 169(6.75,14.963) 170(6.25,14.963) 171(5.75,14.963) 172(5.25,14.963) 173(4.75,14.963) 174(4.25,14.963) 175(3.75,14.963) 176(3.25,14.963) 177(2.75,14.963) 178(2.25,14.963) 179(1.75,14.963) 180(1.25,14.963) 181(0.75,14.963) 182(0.25,14.963) 183(-0.25,14.963) 184(-0.75,14.963) 185(-1.25,14.963) 186(-1.75,14.963) 187(-2.25,14.963) 188(-2.75,14.963) 189(-3.25,14.963) 190(-3.75,14.963) 191(-4.25,14.963) 192(-4.75,14.963) 193(-5.25,14.963) 194(-5.75,14.963) 195(-6.25,14.963) 196(-6.75,14.963) 197(-7.25,14.963) 198(-7.75,14.963) 199(-8.25,14.963) 200(-8.75,14.963) 201(-9.25,14.963) 202(-9.75,14.963) 203(-10.25,14.963) 204(-10.75,14.963) 205(-11.25,14.963) 206(-11.75,14.963) 207(-12.25,14.963) 208(-12.75,14.963)